# KiCad board Lime_RFE.kicad_pcb (continued)
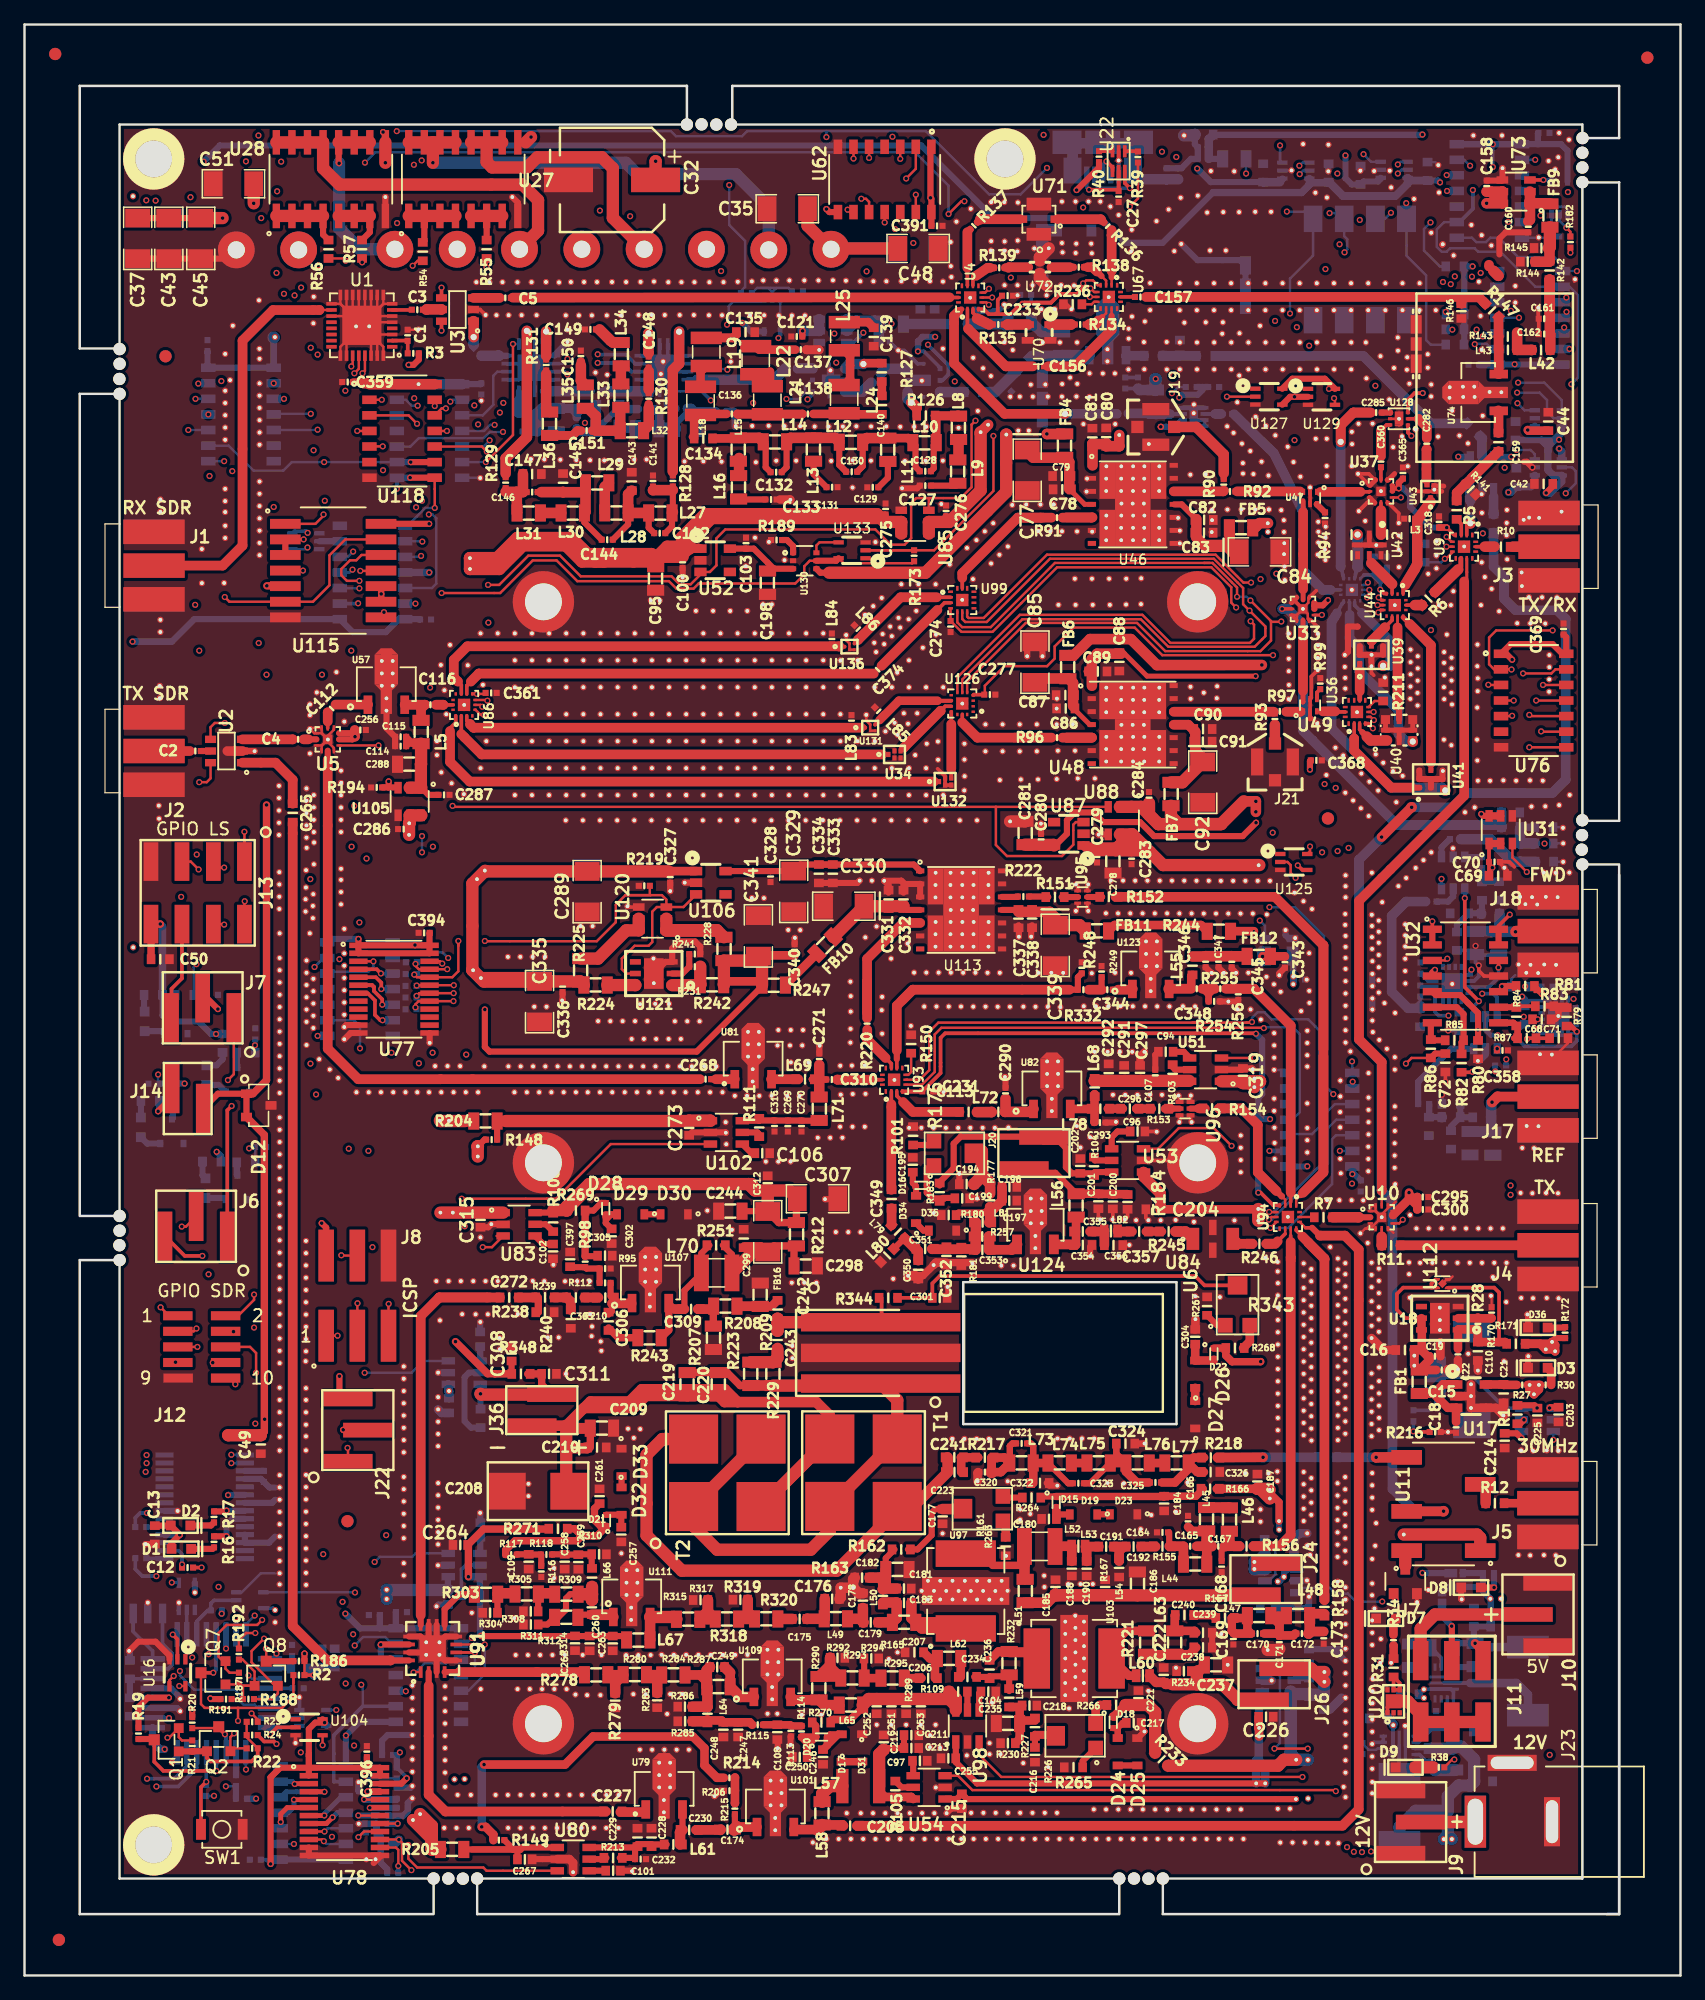
[diagram p0: board, top side]
## Routing (per net, layer and track width the routed paths; a pad name or vN(x,y) marks a point on that pad's centre or on a via; arc(x,y) is an arc through that point) (continued)
  T w0.6: U85.5 71.47,118.47 70.13,118.47 ; U31.6 U31.5
  T w0.7: R224.2 R225.2 45.35,80.97 R224.2 ; R224.2 45.32,81 37.43,81 ; 52.64,89.84 52.81,90.01 U106.1 ; v1(37.46,17.19) 44.07,17.19 46.35,19.48 54.48,19.48 55.43,18.52 55.43,17.13 56.45,16.11 R214.2 ; v1(37.27,12.11) 37.59,12.11 38.22,11.48 R149.1 ; C16.1 113.29,49.75 FB1.1 ; C16.1 113.3,50.96 GND_VIA#1295.1 GND_VIA#1296.1 113.34,49.7 FB1.1 ; C16.1 113.87,50.97 114.38,50.47 C19.1 114.53,50.16 FB1.1 ; C15.1 113.72,49.35 FB1.1 ; C100.1 54.32,116.29 U52.1 ; C278.1 87.58,91.75 C279.1 ; C278.1 88.59,91.61 C279.1 ; C278.1 89.15,92.16 91.15,92.16 ; C278.1 89.98,92.99 U88.6 ; C278.1 88.93,91.56 91.75,91.56 86.87,91.56 86.83,91.61 ; 86.83,91.61 C279.1 ; 86.83,91.61 U87.1 ; R31.1 111.61,26.86 R34.1 ; 113.25,51.01 113.91,51.01 113.91,52.59 U18.6 U18.5
  T w0.86: U73.6 119.53,145.38 C158.1 120.48,145.38 U73.5 U73.6 ; U73.6 v1(119.19,144.43) ; 118.69,35.68 118.68,35.67 U11.1
  T w1: 100.72,72.87 100.73,72.86 ; 100.72,72.87 100.57,72.73 ; 100.72,72.87 U51.1 ; 36.92,67.56 36.91,67.57 ; 37.57,90.01 37.6,89.98 C289.1 52.5,89.98 ; 37.55,90.03 36.51,88.99 36.51,81.92 37.43,81 ; 100.57,72.73 100.57,72.81 100.65,72.88 ; 100.57,72.73 C319.2 99.93,72.73 GND_VIA#642.1 ; R224.2 45.3,81.02 C335.1 ; C335.1 41.97,81 37.46,81 ; C335.1 41.72,81.29 GND_VIA#701.1 37.18,81.29 36.51,81.96 GND_VIA#700.1 ; U11.1 118.68,35.67 118.41,35.94 GND_VIA#1042.1 ; 100.67,90.5 92.82,90.5 90.32,92.99 U88.6 U88.5 ; 36.97,67.58 GND_VIA#645.1 GND_VIA#647.1 ; 70.13,118.46 69.5,119.1 55.48,119.1 53.6,117.22 53.6,116.44 52.39,116.44 51.45,115.5 ; 70.13,118.46 69.82,118.78 56.01,118.78 54.2,116.96 54.2,116.29 ; 70.13,118.46 U85.5 U85.6 ; 36.33,115.5 GND_VIA#1043.1 ; GND_VIA#1043.1 38.52,115.51 40.16,117.15 44.59,117.15 45.9,115.84 ; GND_VIA#1043.1 GND_VIA#1044.1 38.7,114.63 40.63,116.56 44.13,116.56 45.45,115.24 47.25,115.24 ; 51.45,115.5 51.19,115.24 47.25,115.24 ; 51.45,115.5 51.57,115.62 C100.1 ; 51.45,115.5 51.11,115.84 45.9,115.84 ; 45.9,115.84 46.51,115.24 47.25,115.24 ; U105.6 U105.5 31.4,93.94 GND_VIA#1890.1 31.35,93.89 GND_VIA#1889.1
  SIG1 w0.5: v1(101.76,93.14) 102.32,93.7 117.8,93.7 v1(118.76,94.66)
  PWR w0.3: v1(124.33,46.25) 123.79,46.78 122.47,46.78 119.3,49.96 117.39,49.96 116.83,50.52 GND_VIA#1295.1
  PWR w0.5: 98.72,93.57 98.57,93.44 98.7,93.57 98.72,93.57 ; 98.72,93.57 98.57,93.42 98.57,93.14 ; 98.57,93.14 98.57,91.11 ; 98.57,93.14 v1(101.76,93.14) ; 37.52,93.62 32.01,93.62 GND_VIA#1889.1 31.35,93.89
  PWR w0.7: GND_VIA#642.1 GND_VIA#641.1
  PWR w1: 109.7,35.94 108.78,35.02 ; 109.7,35.94 108.78,35.02 ; 109.7,35.94 GND_VIA#1042.1 109.8,35.94 108.78,36.95 ; 108.78,35.02 108.78,33.96 ; 108.78,33.96 108.78,26.56 109.86,25.48 GND_VIA#1287.1 ; 108.78,33.96 108.78,36.95 ; GND_VIA#642.1 100.26,66 101.47,64.79 102.43,64.79 108.78,58.44 108.78,51.68 ; GND_VIA#642.1 99.4,72.4 98.27,73.53 98.27,75.31 96.69,76.88 78.45,76.88 66.36,64.79 47.16,64.79 44.77,62.4 40.15,62.4 ; GND_VIA#642.1 101.91,72.4 103.14,73.63 103.14,79.22 103.44,79.51 GND_VIA#643.1 ; 108.78,36.95 108.78,49.35 ; 108.78,49.35 109.95,50.52 ; 108.78,49.35 108.78,50.52 ; GND_VIA#643.1 103.44,82.33 GND_VIA#643.1 ; GND_VIA#643.1 103.44,82.12 101.57,83.99 101.57,85.36 102.53,86.33 102.53,89.73 101.77,90.5 98.57,90.5 ; 98.57,90.5 81.7,90.5 80.54,91.66 72.15,91.66 70.99,90.5 38.03,90.5 GND_VIA#702.1 ; 98.57,90.5 98.57,106.93 97.38,108.12 94.18,108.12 92.21,110.09 92.21,113.89 93.58,115.26 94.34,115.26 95.52,116.44 95.52,119.68 97.68,121.84 97.68,123.19 92.22,128.65 v1(92.22,130.12) 92.22,134.2 92.74,134.72 92.74,141.23 93.71,142.2 112.43,142.2 114.66,144.43 v1(119.19,144.43) ; GND_VIA#702.1 36.89,89.41 ; GND_VIA#702.1 36.89,89.41 ; 36.89,89.41 GND_VIA#703.1 37.52,94.04 ; 36.89,89.41 37.15,89.68 37.15,95.22 ; 36.89,89.41 38.4,87.91 38.4,70.99 36.95,69.54 GND_VIA#645.1 ; 40.15,62.4 39.18,62.4 36.95,64.64 GND_VIA#647.1 ; 40.15,62.4 40.15,56.36 39.03,55.24 39.03,53.11 40.96,51.18 40.96,42.18 39.59,40.81 39.59,30.65 38.52,29.59 38.52,22.02 37.46,20.96 v1(37.46,17.19) ; 108.78,50.52 108.78,51.68 ; 108.78,50.52 GND_VIA#1295.1 109.95,50.52 ; 108.78,51.68 109.95,50.52 ; 37.15,96.01 38.65,97.51 ; 37.15,96.01 37.52,95.64 37.52,93.62 37.52,94.04 ; 37.15,96.01 37.15,95.22 ; 38.65,97.51 38.65,106.24 36.31,108.58 GND_VIA#1043.1 35.6,116.23 35.6,129.64 ; 38.65,97.51 38.65,96.72 37.15,95.22 ; 35.6,129.64 33.98,131.26 v1(31.31,131.26) ; 35.6,129.64 35.6,129.21 44.42,129.21 45.43,130.22 45.43,132.56 46.09,133.22 46.96,133.22 47.36,132.81 57.42,132.81 58.02,133.41 59.72,133.41 60.65,134.34 62.49,134.34 63.43,133.39 v1(63.43,134.03) ; 37.52,94.04 31.5,94.04 GND_VIA#1890.1 31.35,93.89 ; GND_VIA#1287.1 110.37,25.48 ; GND_VIA#1287.1 GND_VIA#1286.1
  B w0.3: C75.1 90.76,129.33 C74.1
  B w0.5: C342.1 103.44,81.23 GND_VIA#643.1 ; GND_VIA#644.1 GND_VIA#643.1 ; GND_VIA#643.1 103.44,82.59
  B w0.6: U122.6 U122.5
  B w0.7: v1(37.46,17.19) 37.27,17 v1(37.27,12.11) ; 31.35,93.89 GND_VIA#1890.1
  B w0.86: 90.78,129.33 90.9,129.22 L4.1 ; v1(119.19,144.43) 119.19,144.44 ; v1(63.43,134.03) U65.5 U65.6
  B w1: v1(92.22,130.12) 92.19,130.09 L4.1 ; 31.35,93.89 GND_VIA#1890.1
+5V_DCDC: length 13.2
  T w0.7: v1(118.26,27.07) 118.9,26.43 J11.1
  B w0.3: R25.1 115.99,26.12 U19.6 ; 118.15,27.17 v1(118.26,27.07)
  B w0.5: 119.52,28.6 119.37,28.44 C23.2 118.15,27.17 v1(118.26,27.07) 116.95,27.07 R25.1
  B w0.7: 118.57,26.76 v1(118.26,27.07) 118.57,26.76 ; 118.57,26.76 L1.1
+5V_ICSP: length 124.8
  T w0.5: v1(24.22,61.31) 24.59,60.94 J8.2
  SIG1 w0.5: 33.19,34.36 34.64,34.36 35.78,35.5 49.9,35.5 50.49,34.92 103.02,34.92 105.12,32.81 v1(113.96,32.81) ; 33.19,34.36 31.82,34.36 ; 33.19,34.36 24.38,34.36 v1(24.35,34.34)
  SIG2 w0.5: v1(24.22,61.31) 24.35,61.18 v1(24.35,34.34)
  B w0.5: v1(113.96,32.81) 113.99,32.79 116.32,32.79
+5V_MCU: length 204.2
  T w0.2: R2.2 R186.2
  T w0.3: v1(13.67,25.92) 13.68,25.93 ; v1(23.58,24.48) R2.2
  T w0.5: v1(11.77,22.64) 10.05,22.64 9.29,21.88 R19.2 ; v1(22.83,26.23) 22.82,26.23 R186.2 ; D1.1 11.98,35.24 v1(12.65,35.91) 12.65,35.94 D2.1 11.91,36.66 C13.1 ; v1(13.67,21.62) R20.2
  SIG1 w0.3: v1(13.67,25.92) 14.11,25.47 22.07,25.47 v1(22.83,26.23)
  SIG2 w0.3: v1(15.82,31.67) 15.82,29.74 v1(16.07,29.48)
  PWR w0.3: 13.67,24.71 v1(13.67,25.92)
  PWR w0.5: v1(15.45,14.64) 15.45,12.4 17.82,10.03 26.84,10.03 28.57,11.76 31.21,11.76 32.3,10.66 51.4,10.66 52.27,9.8 95.09,9.8 95.45,9.44 101.08,9.44 ; v1(16.07,29.48) 15.21,29.48 13.67,27.95 v1(13.67,21.62) ; v1(15.82,31.67) 15.82,34.62 14.52,35.91 v1(12.65,35.91) ; 101.08,9.44 120.72,9.44 122.48,11.21 122.48,14.8 125.37,17.69 125.37,28.8 123.46,30.7 GND_VIA#1285.1 GND_VIA#1284.1 ; 101.08,9.44 101.66,9.44
  B w0.2: v1(15.45,14.64) 15.44,14.63 R13.1
  B w0.3: U12.6 10.42,24.18 C11.1 ; 10.41,22.63 U12.4 ; 24.15,25.13 24.15,25.05 v1(23.58,24.48) ; 24.15,25.13 23.34,25.13 FB2.2 23.58,24.66 ; 24.15,25.13 C8.1
  B w0.5: v1(11.77,22.64) 10.42,22.64 10.41,22.63 C10.1 C11.1 ; v1(12.65,35.91) 12.64,35.92 U13.4 ; v1(16.59,39.15) 16.61,39.17 U13.20 ; GND_VIA#1284.1 118.9,31.31 R35.1 117.23,32.79 ; GND_VIA#1284.1 119.52,30.68 D4.1 ; GND_VIA#1284.1 118.53,31.67 116.08,31.67 D5.1 ; v1(16.07,29.48) 16.09,29.5 R18.2
  B w0.7: C7.1 v1(23.58,24.48) 23.58,24.66 FB2.2
+5V_USB: length 154.9
  T w0.5: v1(116.35,28.47) 116.36,28.46 J11.3
  SIG2 w0.5: v1(116.35,28.47) 115.69,29.13 115.69,35.48 111.68,39.49 111.68,63.06 110.61,64.13 110.61,74.52 108.83,76.3 108.83,87.52 117.37,96.06 117.37,113.99 116.6,114.75 116.6,123.03 115.93,123.71 115.93,126.43 115.54,126.81 115.54,132.51 114.39,133.66 114.39,140.56 113.96,140.99 v1(113.96,150.03)
  B w0.5: v1(113.96,150.03) 113.95,150.02 C29.1 ; v1(116.35,28.47) 115.56,29.26 115.56,30.24 ; C30.1 FB3.2
  B w0.7: C29.1 96.54,149.66 C28.1 C30.1
+7.5V: length 314.3
  T w0.2: v1(116.57,17.6) 116.38,17.6 R38.2
  T w0.5: 35.93,69.64 35.9,69.67 GND_VIA#648.1 ; U98.1 75.92,17.38 77.65,15.65 GND_VIA#639.1
  T w0.7: 100.58,20.17 100.61,20.2 C226.2 ; GND_VIA#640.1 GND_VIA#637.1 ; C204.2 100.58,62.44
  T w0.86: 92.49,63.82 91.23,65.08 U53.1 91.23,65.14 92.61,63.75 C204.2 ; GND_VIA#648.1 34.63,69.64 R204.2
  T w1: 33.86,69.68 33.91,69.64 35.93,69.64 ; 33.21,10.27 33.19,10.28 33.19,12.02 ; 33.21,10.27 33.21,11.28 ; 33.21,10.27 33.21,12.19 GND_VIA#708.1 ; 33.21,10.27 R205.2 ; 33.21,10.27 33.21,11.13 GND_VIA#709.1 ; GND_VIA#633.1 GND_VIA#636.1
  SIG1 w1: 103.25,27.48 103.25,27.54 103.25,21.25 102.17,20.17 100.58,20.17
  SIG2 w0.2: GND_VIA#1263.1 116.36,17.39 v1(116.57,17.6)
  PWR w0.2: 102.83,32.49 103.22,32.1
  PWR w0.5: GND_VIA#634.1 102.83,32.49 103.22,32.1 103.21,32.11 GND_VIA#635.1
  PWR w1: GND_VIA#648.1 31.51,69.67 29.48,67.64 29.48,56.97 28.06,55.55 28.06,50.47 29.48,49.04 29.48,42.59 27.75,40.86 27.75,35.94 29.48,34.21 29.48,31.48 GND_VIA#712.1 GND_VIA#713.1 31.06,29.14 31.06,26.44 29.53,24.91 29.53,14.8 GND_VIA#709.1 31.77,12.67 32.38,13.28 49.34,13.28 50.26,12.37 55.39,12.37 60.47,17.45 74.85,17.45 76.68,15.62 100.37,15.62 GND_VIA#638.1 GND_VIA#639.1 101.15,13.17 ; GND_VIA#640.1 103.22,22.75 103.22,58.31 102.2,59.33 101.36,59.33 100.58,60.11 GND_VIA#636.1 ; 104.45,12.16 109.14,12.16 ; 104.45,12.16 101.9,12.16 101.15,12.91 101.15,13.17 ; 104.45,12.16 104.7,12.16 ; GND_VIA#1263.1 115.31,12.16 113.62,12.16 ; 113.62,12.16 104.7,12.16 ; 113.62,12.16 114.65,12.16 GND_VIA#1288.1 ; 104.7,12.16 102.15,12.16 101.15,13.17
  B w0.5: C193.2 103.72,34.13 U50.1 102.96,33.1 102.68,32.82 102.68,32.49 ; U100.1 34.51,32.48 C266.2 ; GND_VIA#634.1 102.3,32.11 GND_VIA#635.1
  B w0.7: 100.62,20.17 100.62,17.53 100.41,17.32 100.41,17.52 ; 100.62,20.17 100.58,20.17 ; 100.62,20.17 100.58,20.17 ; 100.62,20.17 100.58,20.17 ; 100.58,62.44 100.58,62.45 GND_VIA#636.1 ; 100.41,17.52 100.61,17.52 101.15,16.99 GND_VIA#639.1 ; 100.41,17.52 GND_VIA#638.1 ; GND_VIA#640.1 100.65,22.84 U55.1
  B w1: 29.53,31.41 34.5,31.41 C266.2 ; 116.03,11.44 GND_VIA#1288.1 ; 116.03,11.44 GND_VIA#1263.1 ; 116.03,11.44 R37.1 ; GND_VIA#713.1 GND_VIA#712.1
+12V: length 230.6
  T w0.3: 104.59,14.37 GND_VIA#653.1
  T w0.5: C215.2 76,14.38 U54.1 ; C215.2 76.63,14.59 C215.2 ; C215.2 76.61,14.61 ; C215.2 76.85,14.37 GND_VIA#652.1 ; U83.1 39.02,62.18 C315.2
  T w1: 114.11,12.5 118.25,12.5 J23.1 118.25,12.5 J9.2 ; U83.1 33.9,62.17
  PWR w0.5: 111.58,13.56 111.57,13.57 111.57,13.79 111.57,13.56 ; GND_VIA#699.1 35.85,15.98 ; 104.59,14.37 GND_VIA#653.1 104.59,14.37
  PWR w1: 101.97,17.09 87.29,17.09 83.08,21.31 67.99,21.31 66.72,20.04 48.2,20.04 44.14,15.97 35.86,15.97 35.85,15.98 ; 101.97,17.09 103.65,15.41 GND_VIA#652.1 104.59,14.37 GND_VIA#653.1 ; 101.97,17.09 GND_VIA#653.1 ; 32.17,52.9 34.71,50.36 34.71,25.83 35.87,24.67 GND_VIA#698.1 35.08,16.01 GND_VIA#699.1 ; 32.17,52.9 32.17,60.44 GND_VIA#710.1 GND_VIA#711.1 ; 32.17,52.9 34.6,50.48 GND_VIA#650.1 ; J23.1 117.25,13.56 114.56,13.56 ; 114.56,13.56 106.93,13.56 106.06,14.42 GND_VIA#653.1 ; 114.56,13.56 114.56,22.84 GND_VIA#1922.1 ; GND_VIA#1922.1 111.58,20.81 GND_VIA#1921.1 111.58,13.56 ; GND_VIA#1922.1 114.06,23.29 114.06,22.53
  B w0.3: U21.8 111.42,18 111.57,18.15 U21.1 111.57,20.38 GND_VIA#1921.1 111.14,20.83 C25.2 ; U19.8 116.49,23.13 116.29,23.33 U19.1 114.1,23.33 GND_VIA#1922.1 ; 114.07,23.3 GND_VIA#1922.1 ; GND_VIA#1922.1 113.69,22.92 C20.2 ; GND_VIA#1922.1 114.08,23.32 C20.2 ; 114.05,22.52 114.06,22.53 113.68,22.9 C20.2 ; C20.2 113.99,22.61 GND_VIA#1923.1
  B w0.5: U56.1 34.61,48.12 C317.2 ; 34.61,47.62 GND_VIA#650.1
  B w0.7: 111.58,20.51 C25.2 111.58,20.51 ; 111.58,20.51 GND_VIA#1921.1 ; C317.2 34.61,47.62 GND_VIA#650.1 34.55,47.68 U56.1
/Cell/PA_1_2_3/VCC: length 51
  T w0.86: v1(100.87,106.8) 92.31,106.79 90.19,108.91 86.86,108.91 85.56,107.61 85.11,107.61 ; 99.4,95.69 v1(100.38,95.69) v1(100.38,94.83)
  T w1: 99.4,95.69 97.55,93.84 ; 97.55,93.84 93.96,93.84 93.77,94.03 93.77,94.15 ; 97.55,93.84 94.08,93.84 ; 92.44,93.84 91.03,95.24 U88.1 U88.2 ; 92.44,93.84 94.08,93.84 ; 92.44,93.84 91.67,94.6 C284.1 ; 94.08,93.84 93.46,94.45 FB7.1
  SIG1 w0.5: v1(100.38,94.83) v1(100.38,95.69)
  SIG1 w1: v1(100.87,106.8) 101.53,106.14 101.53,104.94 100.38,103.79 v1(100.38,95.69)
/Cell/PA_7_38/VCC: length 54.8
  T w0.6: 75.38,118.46 75.13,118.72 C276.1
  T w0.86: 101.37,118.36 100.68,118.36 100.35,118.03 100.15,118.03 100.3,118.03 ; v1(83.34,125.63) 83.35,125.63 84.82,125.63 ; 77.86,125.7 GND_VIA#1024.1
  T w1: GND_VIA#1025.1 77.95,121.03 75.38,118.46 U85.2 U85.1
  SIG2 w1: v1(83.34,125.63) 83.34,126.24 82.57,127.02 79.19,127.02 GND_VIA#1025.1 77.95,120.98 83.84,115.08 98.85,115.08 101.37,117.6 101.37,118.36
/SWR_Meter_Subsystem/5V_SWR: length 47.6
  T w0.3: v1(114.98,81.95) 114.99,81.95 ; U31.1 119.39,92.25 C70.1 ; C70.1 119.39,90.56 v1(119.67,90.28) 119.39,90.01 C69.1 C70.1
  T w0.5: v1(114.98,81.95) 114.77,81.74 U32.4
  T w0.6: U31.1 U31.2
  SIG1 w0.5: v1(114.98,81.95) 114.98,83.52 119.67,88.2 v1(119.67,90.28)
  SIG2 w0.5: v1(116.09,78.22) 114.98,79.33 v1(114.98,81.95) ; v1(122.09,79.78) 122.67,79.19 125.89,79.19 v1(126.28,79.59) 126.28,88.06 125.09,89.25 120.11,89.25 119.67,89.69 v1(119.67,90.28)
  B w0.2: v1(126.28,79.59) 126.27,79.58 IC2.4
  B w0.3: v1(114.98,81.95) 114.99,81.95 IC1.4 ; v1(116.09,78.22) 115.29,78.22 114.99,78.53 IC1.1 ; 122.29,79.57 122.29,79.45 124.21,79.45 IC2.1
  B w0.5: R78.2 122.29,79.57 v1(122.09,79.78)
/TX_H2/PA2400/VCC1: length 3.6
  T w0.7: FB10.1 64.59,83.27 R247.2
/TX_H2/PA2400/VCC2: length 8.5
  T w0.7: FB11.1 88.86,85.61 95.9,85.61 R244.2
GND: length 504.4
  T w0.1: 88.44,136.77 88.66,136.55 88.85,136.55 ; 88.44,136.77 88.72,136.5 ; 88.44,136.77 88.79,136.43
  T w0.15: 88.44,136.77 88.13,136.46 88,136.46
  T w0.2: GND_VIA#721.1 85.85,86.9 U95.3 ; 111.6,60.52 111.26,60.86 U10.6 ; GND_VIA#119.1 109.29,60.86 109.4,60.86 ; 109.4,60.86 109.71,61.18 U10.3 ; 109.4,60.86 U10.4 ; 111.79,63.06 111.45,62.72 111.34,62.72 ; GND_VIA#117.1 109.88,61.03 109.75,61.03 ; GND_VIA#117.1 110.64,62.03 111.34,62.72 ; GND_VIA#117.1 110.14,62.29 ; GND_VIA#117.1 110.14,62.29 ; 111.34,62.72 U10.10 ; 110.14,62.29 U10.12 109.86,62.72 109.71,62.58 U10.1 110.14,62.29 ; 88.44,136.78 88.44,136.77 ; 88.44,136.77 88.64,136.97 ; 88.44,136.77 88.44,136.77 ; J17.3 125.83,75.99 C71.2 ; 125.16,81.42 J18.2 ; GND_VIA#1038.1 32.1,134.13 C1.2 ; 28.25,135.24 U1.33 ; 28.25,135.24 U1.33 ; 28.25,135.24 U1.11 ; 28.25,135.24 U1.6 ; U1.33 27.75,134.74 ; U1.33 29.25,136.24 ; U1.33 28.25,133.74 ; U1.33 26.75,135.24 ; U1.33 25.75,136.24 ; U1.33 25.75,136.24 ; U1.33 26.25,135.74 U1.15 ; U1.33 26.75,135.24 ; U1.33 27.25,134.74 U1.13 ; U1.33 27.75,134.74 ; U1.33 28.75,135.74 U1.10 ; U1.33 29.25,136.24 ; U1.33 25.75,132.74 U1.25 ; U1.33 26.25,133.24 U1.26 ; U1.33 28.25,133.74 ; U1.33 28.75,133.24 U1.31 ; U1.33 29.25,132.74 U1.32 ; 27.75,134.74 U1.5 ; 27.75,134.74 U1.12 ; 29.25,136.24 U1.9 ; 29.25,136.24 U1.8 ; 28.25,133.74 U1.30 ; 28.25,133.74 U1.3 ; 26.75,135.24 U1.19 ; 26.75,135.24 U1.14 ; 25.75,136.24 U1.16 ; 25.75,136.24 U1.17 ; GND_VIA#761.1 118.77,120.7 R141.1 ; 24.22,101.24 GND_VIA#1262.1 ; 24.22,101.24 GND_VIA#1262.1 ; 24.22,101.24 U5.1 23.61,101.24 GND_VIA#1188.1 23.35,101.67 U5.12 24.22,101.24 ; GND_VIA#1262.1 24.73,101.04 25.22,101.52 U5.10 ; GND_VIA#1262.1 24.73,100.53 25.22,100.04 U5.6 ; GND_VIA#1262.1 U5.1 24.22,100.24 U5.4 ; GND_VIA#1262.1 24.25,100.24 U5.3 ; GND_VIA#1277.1 119.6,55.34 R170.1 ; U33.6 104.62,110.55 104.62,110.98 GND_VIA#432.1 ; 103.72,110.87 U33.4 ; 103.72,110.87 U33.3 ; 103.72,110.87 GND_VIA#432.1 ; U33.10 104.67,112.25 104.67,111.88 104.22,111.44 GND_VIA#432.1 ; GND_VIA#1601.1 68.62,102.26 U131.5 U131.2 U131.3 ; GND_VIA#1600.1 66.99,108.82 U136.5 U136.2 U136.3 ; 116.43,56.97 116.17,56.71 U112.2 115.92,56.71 115.6,56.38 U112.2 ; 64.77,132.5 GND_VIA#812.1 ; U128.5 GND_VIA#1963.1 ; 126.41,138.14 126.33,138.06 GND_VIA#1597.1 126.41,138.14
  T w0.3: 105.3,112.86 104.74,112.3 U33.10 ; 105.34,109.97 104.87,110.44 U33.6 ; 113.48,121.01 113.54,120.95 U43.5 U43.2 ; GND_VIA#547.1 75.21,56.08 C301.1 ; GND_VIA#612.1 94.16,71.63 U96.1 ; GND_VIA#611.1 95.06,71.69 U96.6 ; GND_VIA#614.1 95.06,69.64 U96.4 ; GND_VIA#613.1 94.16,69.57 U96.3 ; U?#2.1 95.45,66.43 U53.2 ; GND_VIA#448.1 92.27,68.79 C96.2 ; GND_VIA#618.1 91.41,61.76 C204.1 ; GND_VIA#617.1 88.72,61.64 C200.1 ; GND_VIA#616.1 87.54,61.77 C201.1 ; GND_VIA#615.1 89.93,61.84 R184.2 ; GND_VIA#502.1 86.65,88.85 U95.6 ; GND_VIA#503.1 85.85,88.78 U95.1 ; GND_VIA#722.1 86.65,86.82 U95.4 ; GND_VIA#433.1 114.91,121.12 U43.3 ; v1(118.56,82.31) 118.56,81.88 118.99,81.45 U32.11 ; 109.99,105.96 109.8,106.15 U39.2 ; 121.46,90.35 121.05,90.75 C70.2 120.29,90.63 GND_VIA#987.1 120.89,90.03 C69.2 ; GND_VIA#833.1 104.9,105.86 104.9,104.12 U49.5 104.8,102.37 104.79,102.36 ; U49.2 104.8,102.6 GND_VIA#214.1 ; 36.61,135.76 U3.2 37.14,135.77 GND_VIA#827.1 ; U37.12 109.58,122.38 GND_VIA#840.1 109.64,121.45 U37.1 ; GND_VIA#426.1 112.03,119.17 111.18,120.02 U37.6 ; U104.3 22.09,19.57 GND_VIA#1253.1 ; C18.2 116.64,44.29 GND_VIA#1330.1 R216.1 ; U120.4 49.21,87.08 GND_VIA#513.1 ; U42.8 110.71,116.57 GND_VIA#428.1 ; 103.5,112.08 104.21,111.37 GND_VIA#432.1 ; GND_VIA#1083.1 84.95,136.2 R236.2 ; 74.44,98.34 75.05,97.73 U132.5 U132.2 U132.3 ; GND_VIA#1924.1 113.52,30.44 U7.3 ; C72.2 v1(115.84,72.83) ; C162.1 C161.1 123.4,135.07 GND_VIA#1082.1 ; U47.5 GND_VIA#21.1 U47.2 ; U37.4 109.45,120.02 GND_VIA#843.1 109.65,120.22 U37.3 ; U33.3 U33.4 ; GND_VIA#1298.1 U22.2
  T w0.4: U39.4 U39.2 ; 115.7,121.38 114.92,121.38 114.91,121.38 U43.2 115.53,120.95 ; U40.8 U40.8 U40.7 ; U40.8 U40.2 ; U40.8 U40.4 U40.5 ; U37.12 110.13,121.88 109.7,121.45 U37.1 ; 111.69,122.4 111.17,121.88 U37.10 ; GND_VIA#864.1 125.05,78.58 125.35,78.88 R79.1 ; U33.12 U33.1 ; U42.8 U42.2 ; U42.8 U42.4 ; U42.8 U42.8 ; U37.3 U37.4
  T w0.5: GND_VIA#215.1 79.17,22.53 C104.2 ; C267.1 41.4,9.48 U80.2 ; U39.7 U39.8 U39.2 U39.2 ; C273.1 54.42,68.71 U102.2 57.15,68.71 GND_VIA#494.1 ; 57.17,68.71 57.19,68.68 ; U106.2 54.74,89.07 GND_VIA#517.1 ; 76.2,64.49 C194.1 76.21,65.33 GND_VIA#462.1 ; GND_VIA#446.1 77.65,63.34 C199.2 ; GND_VIA#528.1 100.07,73.93 C319.1 99.23,73.82 U51.2 ; C94.2 92.18,75.03 C107.2 ; R256.2 98.81,79.38 GND_VIA#575.1 97.45,79.38 R254.2 ; C346.1 96.74,81.72 GND_VIA#579.1 ; GND_VIA#577.1 97.34,82.15 C347.1 ; GND_VIA#578.1 98.42,82.07 C345.2 ; GND_VIA#580.1 62.78,84.55 C340.2 ; 81.03,85.59 81.06,85.55 GND_VIA#582.1 ; 82.14,85.59 82.06,85.52 GND_VIA#583.1 ; GND_VIA#586.1 43.86,79.5 C336.2 ; GND_VIA#2250.1 64.8,75.75 C271.2 ; C343.2 102.3,81.68 GND_VIA#569.1 ; 83.33,40.13 83.54,39.92 GND_VIA#290.1 ; R113.1 62.45,19.46 GND_VIA#628.1 ; C108.2 61.4,19.2 GND_VIA#629.1 ; U83.2 39.01,61.23 GND_VIA#649.1 37.8,60.98 C315.1 ; R206.2 56.7,15.06 GND_VIA#2267.1 ; GND_VIA#707.1 32.56,26.33 U91.15 ; GND_VIA#449.1 88.92,69.51 C293.2 ; 71.48,89.22 71.65,89.04 71.65,88.25 ; 71.48,89.22 GND_VIA#720.1 70.44,88.86 70.44,88.25 ; 71.48,89.22 71.74,88.96 U113.2 U113.3 ; GND_VIA#719.1 67.9,89.04 C333.2 C334.2 ; GND_VIA#2221.1 79.98,73.18 C290.2 ; U121.7 52.25,82.61 U121.3 52.8,83.7 53.37,84.27 54.67,84.27 55.09,83.85 R241.1 ; GND_VIA#257.1 49.48,8.54 C101.2 ; C160.2 120.75,142.06 120.24,141.55 120.24,140.27 ; GND_VIA#1060.1 26.23,77.46 U77.11 ; GND_VIA#1059.1 26.58,76.81 U77.12 ; U77.13 33.03,76.8 GND_VIA#1103.1 ; C307.2 66.27,63.27 GND_VIA#1104.1 ; C13.2 10.61,35.15 GND_VIA#1255.1 ; GND_VIA#1261.1 40.21,144.49 U27.8 ; D36.2 122.57,53.82 GND_VIA#1266.1 ; GND_VIA#1269.1 122.57,50.44 D3.2 ; D8.2 117.12,30.69 GND_VIA#1282.1 ; GND_VIA#1331.1 18.74,99.79 U2.2 ; GND_VIA#1258.1 9.28,27.2 10.69,27.2 11.81,26.07 U16.3 ; 122.9,122.91 v1(122.92,122.91) 122.47,123.36 122.26,123.36 ; C354.2 86.87,59.38 GND_VIA#212.1 ; J15.1 16.55,139.92 C45.2 C43.2 C37.2 ; 28.47,9.16 28.98,9.68 U78.13 U78.12 U78.11 ; 16.54,99.79 16.52,99.82 ; 108.68,109.92 108.67,109.93 107.89,109.93 107.89,107.88 GND_VIA#832.1 ; GND_VIA#189.1 75.55,13.6 C215.1 ; 115.58,141.05 GND_VIA#1311.1 ; U88.4 87.58,92.99 GND_VIA#1886.1 ; C280.2 82.86,93.05 GND_VIA#1887.1 ; GND_VIA#2311.1 74.86,72.06 C113.2 ; GND_VIA#783.1 72.77,121.2 C127.2 ; GND_VIA#385.1 43.11,58.38 C102.2 ; U91.5 34.28,25.68 GND_VIA#706.1 33.6,25.91 U91.3 ; GND_VIA#1045.1 81.74,108.05 C85.2 82.99,108.07 GND_VIA#1046.1 ; U41.5 U41.4 U41.8 U41.7 ; U39.5 U39.4 ; U91.10 33.6,27.38 GND_VIA#705.1 34.3,27.63 U91.8 ; C239.2 C238.2 ; C114.2 C115.2 29.5,101.66 GND_VIA#2306.1 ; GND_VIA#1883.1 C100.2 ; D25.1 90.76,19.35 GND_VIA#238.1 91.02,20.16 C217.2 ; C158.2 120.43,146.28 U73.4 120.49,146.34 GND_VIA#1071.1 ; U91.11 32.95,27.35 GND_VIA#704.1 32.27,27.63 U91.13 ; C327.2 GND_VIA#552.1 ; 124.14,79.03 125.73,79.03 125.84,78.92 125.39,78.92 125.05,78.58 GND_VIA#864.1 124.78,77.93 C68.1 ; U28.8 GND_VIA#1260.1 ; U41.2 U41.2 ; 90.51,43.35 GND_VIA#625.1 91.31,43.35 C324.2 90.51,43.35 ; 118.49,74.69 R80.1 GND_VIA#1339.1 118.49,74.69
  T w0.6: GND_VIA#543.1 77.2,58.09 75.16,58.09 ; GND_VIA#544.1 73.25,57.04 72.87,57.04 ; GND_VIA#436.1 90.94,74.92 C297.2 ; 76.35,13.53 C215.1
  T w0.7: GND_VIA#544.1 74.31,58.09 75.16,58.09 ; C304.2 95.46,52.67 GND_VIA#624.1 ; 77.75,41.02 77.69,40.97 GND_VIA#286.1 ; GND_VIA#256.1 44.72,9.18 44.42,9.48 U80.2 ; GND_VIA#1275.1 GND_VIA#1274.1 ; GND_VIA#1275.1 U17.2 ; GND_VIA#1275.1 GND_VIA#1276.1 117.94,46.26 U17.4 119.94,46.26 GND_VIA#1264.1 120.58,45.65 C21.1 ; GND_VIA#1270.1 115.43,51.57 C19.2 ; 110.78,50.99 GND_VIA#56.1 ; GND_VIA#792.1 62.41,120.29 61.6,120.29 ; C110.2 GND_VIA#1265.1 ; C16.2 111.13,50.97 ; C15.2 116.04,49.4 GND_VIA#1292.1 C22.2 ; 63.76,132.48 GND_VIA#812.1 64.77,132.5 C137.2 63.76,132.48
  T w0.79: C350.1 72.6,57.02 GND_VIA#546.1 ; U2.2 16.54,99.79
  T w0.86: R163.1 67.55,32.29 GND_VIA#626.1 ; GND_VIA#626.1 68.01,31.15 C178.2 ; GND_VIA#626.1 GND_VIA#627.1 66.54,30.79 C176.2
  T w1: 102.3,26.62 102.2,26.52 GND_VIA#630.1 ; GND_VIA#899.1 82.77,138.3 U72.3 ; GND_VIA#919.1 82.77,140.03 U72.1 ; C281.2 81.55,94.05 GND_VIA#1888.1
  B w0.2: 121.53,81.52 121.21,81.2 R77.2 ; IC2.10 125.33,77.93 IC2.10 ; 125.23,82.36 J18.2 126.13,82.36 126.37,82.12 C66.1 ; U90.7 102.69,73.8 GND_VIA#610.1 ; R185.2 125.02,141.63 124.48,141.63 ; 124.48,141.63 124.49,141.64 U69.3 ; 124.48,141.63 U68.7 ; GND_VIA#883.1 61.6,135.39 U64.3 ; GND_VIA#850.1 37.13,122.07 U60.7 ; GND_VIA#1298.1 89.2,147.92 89.2,146.66 ; GND_VIA#761.1 118.81,120.75 U8.2 ; GND_VIA#1336.1 115.02,147.79 C38.2 ; 103.28,147.1 GND_VIA#1303.1 103.28,147.1 ; 103.28,147.1 102.35,147.1 ; 103.28,147.1 U23.2 ; 95.41,149.24 C28.2 ; 95.34,149.96 C29.2 ; 20.43,32.76 19.25,32.76 17.71,31.23 U14.3 ; GND_VIA#973.1 125.43,92.26 C53.2 ; GND_VIA#972.1 125.37,93.59 R71.2 ; GND_VIA#974.1 125.43,90.77 C56.2 ; 112.01,118.4 GND_VIA#426.1 ; GND_VIA#812.1 64.78,132.49 U65.4
  B w0.3: 95.16,126.07 94.46,126.07 94.43,126.11 U45.5 U45.4 U45.3 95.56,126.76 ; R66.2 118.33,83.16 R63.2 ; R66.2 117.95,83.54 C54.2 ; R66.2 v1(118.3,83.91) ; R66.2 118.3,82.58 v1(118.56,82.31) 118.56,81.42 118.19,81.05 IC1.10 116.64,81.05 IC1.10 ; v1(115.55,71.77) 115.55,71.77 R70.2 ; U59.3 52.44,130.71 U59.15 ; U59.3 51.79,130.71 U59.3 ; U59.3 51.79,131.36 51.79,132.96 ; U59.3 52.44,131.36 52.44,132.96 ; U59.3 51.14,132.01 50.19,132.01 ; U59.3 51.14,130.06 50.19,130.06 ; U59.3 53.09,132.01 U59.13 ; U58.3 40.95,131.36 U58.15 ; U58.3 40.3,130.06 39.35,130.06 ; U58.3 40.95,130.71 U58.11 ; U58.3 41.6,130.71 U58.10 ; U58.3 42.25,130.06 43.2,130.06 ; U58.3 42.25,132.01 U58.5 ; U58.3 41.6,131.36 41.6,132.96 ; v1(116.07,77.01) 116.07,77.01 C67.1 ; U29.2 116.45,91.18 GND_VIA#986.1 ; 12.53,29.75 U15.3 12.59,29.81 GND_VIA#1204.1 ; 89.2,146.66 89.2,146.67 GND_VIA#1298.1 89.2,147.92 CON1.5 ; 29.55,8.56 29.02,9.09 29.57,8.55 R203.1 ; 65.72,130.01 65.57,130.16 U61.2 ; C75.2 90.76,130.23 C74.2 ; C124.1 78.06,135.63 C125.1 ; 95.56,126.76 U45.9 95.56,126.76 ; 95.56,126.76 95.32,127.01 GND_VIA#773.1 ; GND_VIA#1920.1 112.57,20.33 U21.3 ; GND_VIA#732.1 110.01,19 U21.10 U21.11 ; U45.1 95.6,127.76 GND_VIA#774.1 95.06,127.76 U45.8 ; U63.2 72.8,131.35 71.71,132.44 GND_VIA#811.1 70.55,133.12 C123.2 ; U12.21 22.32,22.59 GND_VIA#1251.1 22.41,22.67 U108.3
  B w0.4: 95.56,126.76 U45.9 ; 72.69,129.98 72.67,130 U63.2 ; 77.51,135.83 77.7,135.64 C124.1 ; 79.66,135.91 79.38,135.63 C125.1 ; U61.2 65.77,130.02 ; U45.8 U45.1
  B w0.5: GND_VIA#250.1 104.54,32.18 103.34,32.18 ; U100.2 34.51,33.43 GND_VIA#126.1 ; GND_VIA#651.1 37.16,37.69 C105.2 ; GND_VIA#716.1 33.74,30.23 C266.1 ; GND_VIA#122.1 33.72,49.13 U56.2 ; GND_VIA#717.1 37.15,53.25 C99.2 ; GND_VIA#251.1 104.72,30.22 104.42,29.92 C93.2 ; 100.62,24.08 100.67,24.03 GND_VIA#231.1 ; 28.7,11.66 R201.1 ; 28.7,11.66 29.03,11.33 ; 28.7,11.66 R200.1 ; 28.7,11.66 R200.1 ; R201.1 29.03,11.33 ; R201.1 28.71,12.34 28.69,12.37 ; R201.1 28.71,11.4 29.03,11.08 ; 29.03,11.33 29.03,11.08 ; GND_VIA#745.1 31.24,14.06 R198.1 31.24,13.39 30.87,13.02 29.64,13.02 R199.1 ; GND_VIA#738.1 29.6,19.6 29.15,19.14 R140.2 ; GND_VIA#1258.1 8.59,26.39 C11.2 ; GND_VIA#1257.1 12.43,21.8 U12.3 ; GND_VIA#1299.1 12.46,37.87 U13.7 ; GND_VIA#1339.1 118.63,74.53 119.1,75.01 U30.2 ; 28.69,12.37 R200.1 ; 28.69,12.37 GND_VIA#1340.1 27.26,12.35 R200.1 ; 29.03,11.08 29.03,9.21 29.57,8.67 R203.1 ; 20.43,35.76 19.94,35.27 U13.26 U13.25 ; C34.2 106.29,147.63 GND_VIA#1308.1 ; 20.43,38.76 20.19,38.52 U13.21 ; GND_VIA#861.1 43.2,132.06 U58.5 ; GND_VIA#1443.1 95.63,139.8 99.1,139.8 99.54,139.37 99.54,136.16 ; GND_VIA#93.1 107.66,26.6 C98.2 106.72,26.6 GND_VIA#106.1 ; R196.1 27.23,15.06 GND_VIA#1259.1 27.23,15.75 27.23,14.99 ; GND_VIA#744.1 31.48,15.3 R197.1 ; U12.5 11.95,23.4 12.69,22.65 GND_VIA#1256.1 ; 20.43,39.76 19.97,39.76 C14.2 19.26,40.47 U13.18 ; C31.2 R41.2 94.32,147.28 95.09,148.05 C30.2 C28.2 95.41,149.24 C29.2 ; 103.53,84.48 103.11,84.48 102.8,84.78 GND_VIA#573.1 ; GND_VIA#776.1 GND_VIA#862.1 ; GND_VIA#775.1 GND_VIA#780.1
  B w0.6: 65.77,130.02 65.7,130.1 GND_VIA#821.1
  B w0.7: GND_VIA#120.1 34,45.85 C317.1 ; 107.37,22.63 106.42,21.68 C224.2 ; C193.1 103.94,36.03 GND_VIA#64.1 ; GND_VIA#798.1 57.98,127.25 57.8,127.43 C152.2 ; GND_VIA#231.1 100.94,24.03 U55.2
  B w1: C29.2 95.34,149.96 GND_VIA#1337.1
